# Altium PCB RK_NVR_DEMO1_RK3588_LP4XD200P232SD8_V21_20211228_final_lint.PcbDoc (part 17 of 29)
Units mm, origin at the board's own origin, x right, y up, seen from the top; angles counter-clockwise.
Board outline 170.08 x 169.98 mm, 8 copper layers (TOP, L2-GND1, L3-POWER1, L4-S1, L5-GND2, L6-S2, L7-GND3, BOTTOM), stack 2.118 mm thick; 1650 components, 1119 nets, 6165 pads, 15417 vias.
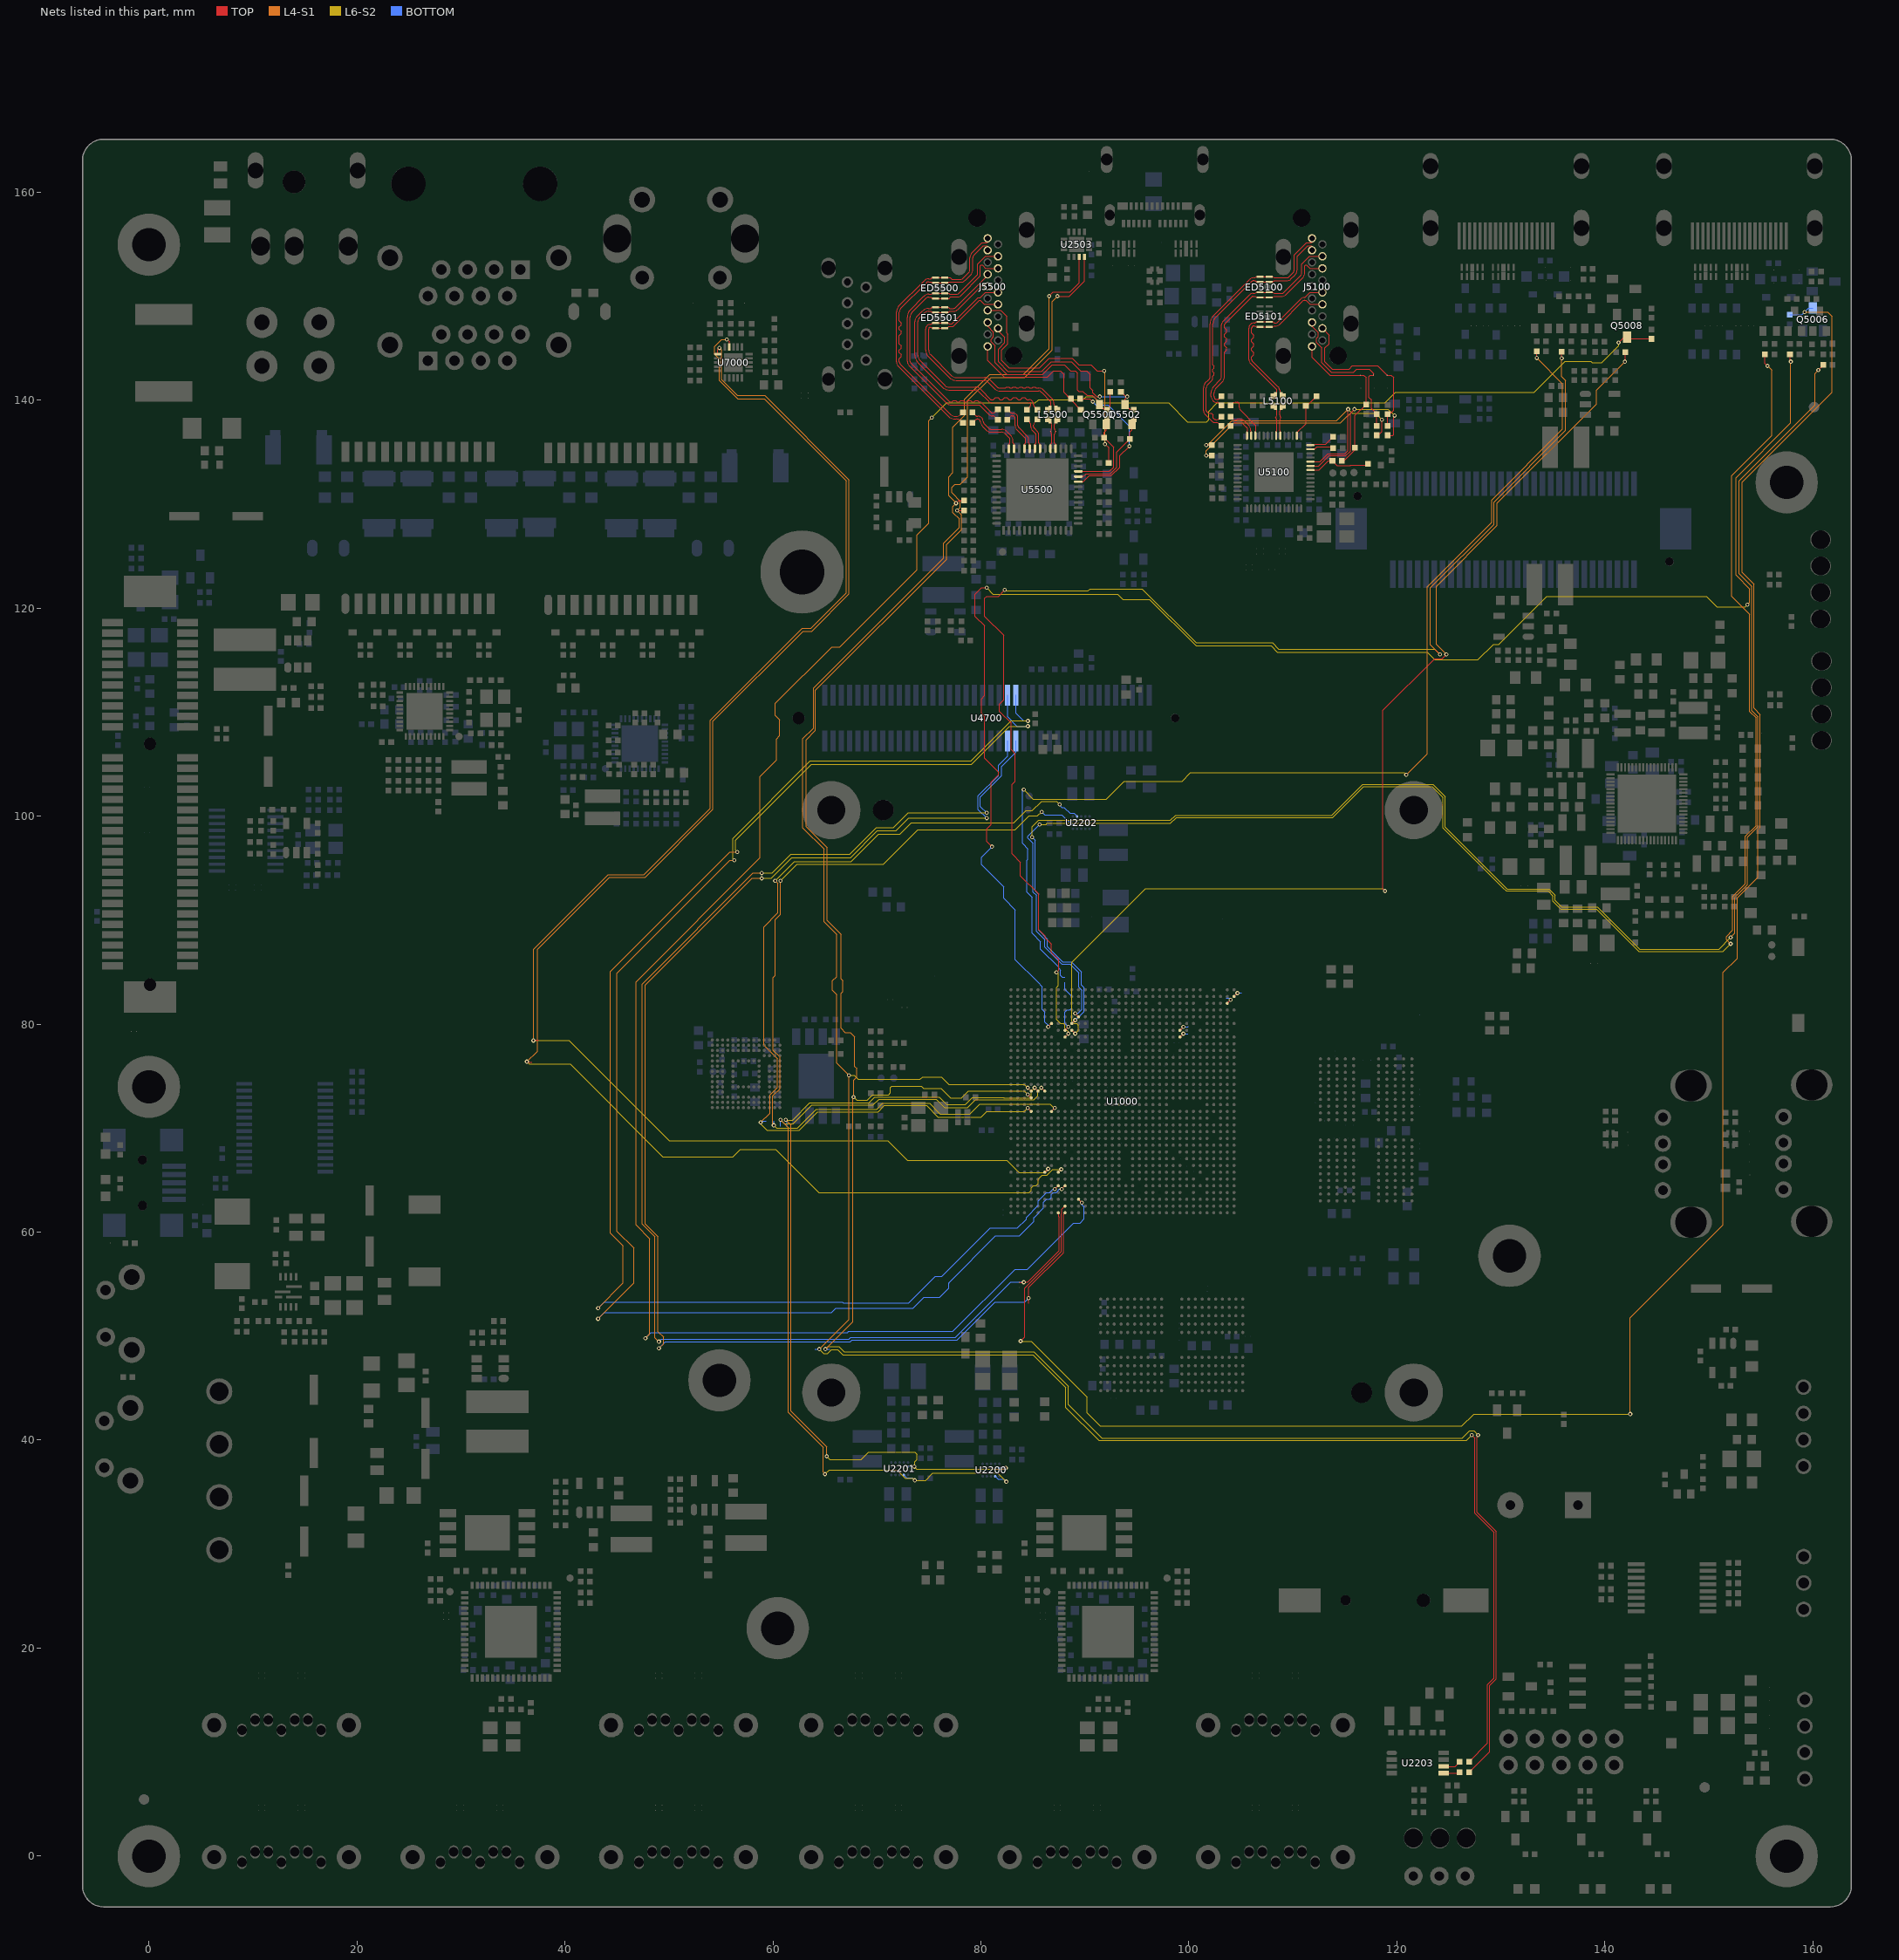
[diagram p23: the nets of this part, all layers, seen from the top]

## Via types
v1: diameter 0.4, hole 0.2, TOP to BOTTOM, 1688 vias
v2: diameter 0.4/0.4 (per signal layer), hole 0.2, TOP to L2-GND1, 1605 vias
v3: diameter 0/0/0/0/0/0/0/0.4 (per signal layer), hole 0.2, TOP to BOTTOM, 1253 vias
v4: diameter 0.4/0/0/0/0/0/0/0 (per signal layer), hole 0.2, TOP to BOTTOM, 1253 vias
v5: diameter 0.5, hole 0.3, TOP to BOTTOM, 857 vias
v6: diameter 0.4/0.4/0.4/0.4/0.4 (per signal layer), hole 0.2, L4-S1 to BOTTOM, 836 vias
v7: diameter 0/0/0/0/0/0/0/0.5 (per signal layer), hole 0.3, TOP to BOTTOM, 772 vias
v8: diameter 0.5/0/0/0/0/0/0/0 (per signal layer), hole 0.3, TOP to BOTTOM, 772 vias
v9: diameter 0.5/0.5 (per signal layer), hole 0.3, TOP to L2-GND1, 766 vias
v10: diameter 0.4/0.4 (per signal layer), hole 0.2, L7-GND3 to BOTTOM, 611 vias
v11: diameter 0.4/0.4/0.4/0.4 (per signal layer), hole 0.2, L5-GND2 to BOTTOM, 579 vias
v12: diameter 0.4 (per signal layer), hole 0.2, L6-S2 to L6-S2, 535 vias
v13: diameter 0.5/0.5/0.5/0.5/0.5 (per signal layer), hole 0.3, L4-S1 to BOTTOM, 457 vias
v14: diameter 0.5/0.5/0.5/0.5 (per signal layer), hole 0.3, L5-GND2 to BOTTOM, 455 vias
v15: diameter 0.4 (per signal layer), hole 0.2, L5-GND2 to L5-GND2, 418 vias
v16: diameter 0.5/0.5/0.5 (per signal layer), hole 0.3, TOP to L3-POWER1, 306 vias
v17: diameter 0.4 (per signal layer), hole 0.2, L4-S1 to L4-S1, 300 vias
v18: diameter 0.4/0.4/0.4 (per signal layer), hole 0.2, TOP to L3-POWER1, 287 vias
v19: diameter 0.5 (per signal layer), hole 0.3, L3-POWER1 to L3-POWER1, 242 vias
v20: diameter 0.5 (per signal layer), hole 0.3, L4-S1 to L4-S1, 240 vias
v21: diameter 0.5/0.5 (per signal layer), hole 0.3, L7-GND3 to BOTTOM, 192 vias
v22: diameter 0.5 (per signal layer), hole 0.3, L6-S2 to L6-S2, 166 vias
v23: diameter 0.4/0.4/0.4/0.4/0.4 (per signal layer), hole 0.2, TOP to L5-GND2, 134 vias
v24: diameter 0.5 (per signal layer), hole 0.3, L5-GND2 to L5-GND2, 114 vias
v25: diameter 0.5/0.5 (per signal layer), hole 0.3, L3-POWER1 to L4-S1, 111 vias
v26: diameter 0.4 (per signal layer), hole 0.2, L3-POWER1 to L3-POWER1, 93 vias
v27: diameter 0.4/0.4 (per signal layer), hole 0.2, L4-S1 to L5-GND2, 59 vias
v28: diameter 0.4/0.4/0/0/0.4/0/0.4/0.4 (per signal layer), hole 0.2, TOP to BOTTOM, 56 vias
v29: diameter 0.4/0/0/0.4/0/0/0/0.4 (per signal layer), hole 0.2, TOP to BOTTOM, 51 vias
v30: diameter 0.5/0.5 (per signal layer), hole 0.3, L4-S1 to L5-GND2, 46 vias
v31: diameter 0.4/0/0/0/0/0.4/0/0.4 (per signal layer), hole 0.2, TOP to BOTTOM, 42 vias
v32: diameter 0.5/0.5/0.5/0.5/0.5 (per signal layer), hole 0.3, TOP to L5-GND2, 32 vias
v33: diameter 0.4/0.4 (per signal layer), hole 0.2, L3-POWER1 to L4-S1, 29 vias
v34: diameter 0.4/0/0.4/0/0/0/0/0.4 (per signal layer), hole 0.2, TOP to BOTTOM, 29 vias
v35: diameter 0.4/0.4/0/0/0.4/0.4/0.4/0.4 (per signal layer), hole 0.2, TOP to BOTTOM, 21 vias
v36: diameter 0.5/0.5/0.5/0/0.5/0.5/0.5/0.5 (per signal layer), hole 0.3, TOP to BOTTOM, 4 vias
v37: diameter 0.5/0.5/0/0.5/0.5/0.5/0.5/0.5 (per signal layer), hole 0.3, TOP to BOTTOM, 3 vias
v38: diameter 0.4/0/0.4/0.4/0/0/0/0.4 (per signal layer), hole 0.2, TOP to BOTTOM, 2 vias
v39: diameter 0.4/0.4/0.4/0/0.4/0/0.4/0.4 (per signal layer), hole 0.2, TOP to BOTTOM, 1 vias

## Nets (pads, with @x,y where several pads share a name; then routed paths per layer and width w, separated by ;. In a path a pad name is that pad's centre, name@x,y a point inside that pad or via, vN(x,y) a via of type N, cw(c..) or ccw(c..) an arc to the next point about the centre after c; other vN are vias at no path point) (continued)
HDMI2_TX1N_PORT: ED5100.5 ED5100.6 J5100.6 R5106.2 | length 21.3
  TOP w0.076: R5106.2@103.111,140.378 102.875,140.142 cw(c102.709,140.307) 102.709,140.073 102.679,140.073 cw(c102.679,140.318) 102.506,140.145 cw(c102.751,140.39) 102.404,140.39 102.404,140.67 cw(c103.098,140.67) 102.607,141.161 103.205,141.758 ccw(c102.684,142.278) 103.42,142.278 103.42,144.601 103.623,144.804 103.623,145.032 103.42,145.236 103.42,145.464 103.623,145.667 103.623,145.896 103.42,146.099 103.42,146.328 103.623,146.531 103.623,146.76 103.42,146.963 103.42,147.257 cw(c103.546,147.257) 103.457,147.346 103.496,147.385 105.883,149.772 106.05,149.939 cw(c106.164,149.826) 106.163,149.986 106.377,149.986 106.487,149.876 ED5100.5@106.844,149.876 ED5100.6@107.718,149.876 108.074,149.876 108.185,149.986 108.907,149.986 ccw(c108.907,150.661) 109.384,150.184 110.934,151.734 ccw(c110.433,152.235) 111.142,152.235 111.142,152.909 111.218,152.985 111.326,152.985 111.636,152.675 J5100.6@112.837,152.675
HDMI2_TX1P: R5105.1 U5100.12 | length 4.7
  TOP w0.076: R5105.1@104.011,139.489 104.159,139.637 cw(c104.538,139.258) 104.538,139.794 104.623,139.794 cw(c104.623,139.616) 104.749,139.742 104.786,139.705 cw(c104.648,139.567) 104.843,139.567 104.843,139.332 ccw(c105.287,139.332) 104.973,139.018 106.376,137.614 cw(c106.202,137.44) 106.449,137.44 106.449,137.073 106.388,137.012 U5100.12@106.388,136.581
HDMI2_TX1P_PORT: ED5100.4 ED5100.7 J5100.4 R5105.2 | length 21.8
  TOP w0.076: R5105.2@103.111,139.489 102.875,139.725 ccw(c102.709,139.559) 102.709,139.794 102.679,139.794 cw(c102.679,140.318) 102.308,139.947 cw(c102.751,140.39) 102.125,140.39 102.125,140.671 cw(c103.098,140.67) 102.41,141.358 103.007,141.956 ccw(c102.685,142.278) 103.141,142.278 103.141,147.257 cw(c103.546,147.257) 103.259,147.543 103.297,147.582 105.686,149.97 105.853,150.137 cw(c106.163,149.826) 106.163,150.265 106.377,150.265 106.487,150.376 ED5100.4@106.844,150.376 ED5100.7@107.718,150.376 108.074,150.376 108.185,150.265 108.907,150.265 ccw(c108.907,150.661) 109.186,150.381 110.737,151.932 ccw(c110.433,152.235) 110.862,152.235 110.862,153.076 111.616,153.83 J5100.4@112.837,153.83
HDMI2_TX2N: R5104.1 U5100.13 | length 3.2
  TOP w0.076: R5104.1@104.011,138.422 104.159,138.274 ccw(c104.538,138.653) 104.538,138.117 104.602,138.117 104.699,138.214 104.927,138.214 105.024,138.117 105.046,138.117 cw(c105.046,137.681) 105.354,137.99 105.748,137.596 105.774,137.57 cw(c105.403,137.199) 105.928,137.198 105.928,137.073 105.988,137.013 U5100.13@105.988,136.581
HDMI2_TX2N_PORT: ED5100.2 ED5100.9 J5100.3 R5104.2 | length 25
  TOP w0.076: R5104.2@103.111,138.422 102.952,138.263 cw(c102.607,138.608) 102.607,138.121 cw(c102.607,138.385) 102.42,138.198 102.339,138.28 102.339,138.585 102.177,138.746 101.872,138.746 101.705,138.913 cw(c101.796,139.004) 101.668,139.004 101.668,141.159 cw(c102.101,141.159) 101.795,141.466 102.09,141.761 102.159,141.83 ccw(c101.812,142.177) 102.303,142.177 102.303,142.309 102.404,142.411 102.404,142.64 102.303,142.741 102.303,142.97 102.404,143.071 102.404,143.3 102.303,143.402 102.303,147.358 cw(c103.038,147.358) 102.518,147.879 102.557,147.917 106.026,151.387 cw(c106.265,151.149) 106.265,151.486 106.377,151.486 106.487,151.376 ED5100.2@106.844,151.376 ED5100.9@107.718,151.376 108.074,151.376 108.185,151.486 109.42,151.486 ccw(c109.42,152.026) 109.802,151.644 110.209,152.05 ccw(c109.735,152.525) 110.405,152.525 110.405,153.835 111.416,154.846 111.761,154.846 111.837,154.77 J5100.3@111.837,154.408
HDMI2_TX2P: R5103.1 U5100.14 | length 2.7
  TOP w0.076: R5103.1@104.011,137.533 104.159,137.681 cw(c104.538,137.302) 104.538,137.838 105.046,137.838 cw(c105.046,137.681) 105.157,137.792 105.577,137.372 cw(c105.403,137.198) 105.649,137.199 105.649,137.073 105.588,137.012 U5100.14@105.588,136.581
HDMI2_TX2P_PORT: ED5100.1 ED5100.10 J5100.1 R5103.2 | length 25.6
  TOP w0.076: R5103.2@103.111,137.533 102.941,137.703 ccw(c102.607,137.37) 102.607,137.841 102.487,137.841 cw(c102.487,138.094) 102.308,137.915 101.508,138.716 cw(c101.796,139.004) 101.388,139.004 101.388,141.159 cw(c102.101,141.159) 101.597,141.663 101.892,141.958 101.961,142.028 ccw(c101.812,142.177) 102.023,142.177 102.023,147.359 cw(c103.038,147.358) 102.32,148.076 102.358,148.114 105.829,151.585 cw(c106.265,151.148) 106.265,151.765 106.377,151.765 106.487,151.876 ED5100.1@106.844,151.876 ED5100.10@107.718,151.876 108.074,151.876 108.185,151.765 109.42,151.765 ccw(c109.42,152.026) 109.605,151.842 110.011,152.248 ccw(c109.735,152.525) 110.126,152.525 110.126,153.951 111.3,155.125 111.761,155.125 111.837,155.202 J5100.1@111.837,155.563
HDMI2_TX_CEC: R5116.1 R5136.1 U5100.2 | length 4.6
  TOP w0.102: U5100.2@110.388,136.581 110.388,136.896 111.243,137.752 R5116.1@111.243,139.466 111.359,139.466 R5136.1@112.259,140.366
HDMI2_TX_HPD: R5112.1 R5138.1 U5100.50 | length 6.2
  TOP w0.102: U5100.50@111.688,133.28 112.507,133.28 113.387,134.16 R5112.1@113.802,134.16 114.255,133.707 115.521,133.707 115.559,133.744 117.092,133.744 R5138.1@117.238,133.889
HDMI2_TX_HPD_PORT: ED5102.1 J5100.19 R5112.2 R5114.1 R5137.2 | length 16.2
  TOP w0.102: J5100.19@111.837,145.168 111.837,144.123 113.555,142.405 ED5102.1@116.507,142.405 116.806,142.405 117.035,142.177 R5137.2@117.035,139.579 115.975,138.519 R5114.1@115.975,135.42 115.975,135.225 114.91,134.16 R5112.2@114.702,134.16
HDMI2_TX_I2S0: R5118.1 U5100.55 | length 2.3
  TOP w0.102: U5100.55@111.688,135.28 112.069,135.28 112.31,135.522 113.746,135.522 R5118.1@113.877,135.39
HDMI2_TX_SCL: R5102.2 R5124.1 U5100.52 | length 29.1
  TOP w0.102: v4(101.671,135.674) R5102.2@102.196,135.674 ; U5100.52@111.688,134.081 112.596,134.081 113.377,134.862 115.015,134.862 115.307,135.154 v4(115.307,139.129) ; R5124.1@118.076,136.621 118.185,136.621 118.559,136.995 v4(118.559,138.113)
  L4-S1 w0.102: v4(101.671,135.674) 101.795,135.674 104.131,138.011 114.19,138.011 v4(115.307,139.129)
  L6-S2 w0.102: v4(115.307,139.129) 115.714,138.722 117.949,138.722 v4(118.559,138.113)
  other v3: 101.671,135.674 118.559,138.113 115.307,139.129
  other v12: 118.559,138.113 115.307,139.129
  other v17: 101.671,135.674 115.307,139.129
HDMI2_TX_SCL_PORT: ED5104.1 J5100.15 R5123.2 R5124.2 | length 15.8
  TOP w0.102: J5100.15@111.837,147.478 111.837,147.105 112.437,146.505 112.437,146.139 112.259,145.961 112.259,145.53 112.767,145.022 112.767,143.599 113.682,142.685 115.815,142.685 116.12,142.99 117.339,142.99 117.777,142.552 ED5104.1@117.777,142.405 117.441,142.405 117.314,142.278 117.314,140.272 117.543,140.043 117.543,139.187 R5123.2@118.076,138.653 R5124.2@118.076,137.521
HDMI2_TX_SDA: R5107.2 R5127.1 U5100.51 | length 32.1
  TOP w0.102: v4(101.671,134.673) R5107.2@102.196,134.673 ; U5100.51@111.688,133.68 112.501,133.68 113.479,134.658 115.099,134.658 115.547,135.107 115.547,138.759 v4(115.917,139.129) ; R5127.1@119.092,136.621 119.607,136.621 119.679,136.693 119.679,138.421 v4(119.778,138.519)
  L4-S1 w0.102: v4(101.671,134.673) 101.671,135.144 104.335,137.808 114.596,137.808 v4(115.917,139.129)
  L6-S2 w0.102: v4(115.917,139.129) 119.168,139.129 v4(119.778,138.519)
  other v3: 101.671,134.673 119.778,138.519 115.917,139.129
  other v12: 119.778,138.519 115.917,139.129
  other v17: 101.671,134.673 115.917,139.129
HDMI2_TX_SDA_PORT: ED5103.1 J5100.16 R5125.2 R5127.2 | length 16.1
  TOP w0.102: J5100.16@112.837,146.9 113.479,146.259 113.479,145.428 113.072,145.022 113.072,143.701 113.783,142.99 115.409,142.99 115.714,143.294 118.158,143.294 ED5103.1@119.047,142.405 119.448,142.405 119.676,142.177 119.676,139.027 119.302,138.653 R5125.2@119.092,138.653 R5127.2@119.092,137.521
HDMI2_TX_WS: R5119.1 U5100.56 | length 2.5
  TOP w0.102: U5100.56@111.688,135.68 112.062,135.68 112.158,135.776 113.171,135.776 R5119.1@113.877,136.483
HDMI2_TXCN: C5103.2 L5100.4 R5111.1 U5100.6 | length 2.8
  TOP w0.076: U5100.6@108.788,136.581 108.788,137.013 108.728,137.073 108.728,138.049 cw(c109.105,138.049) C5103.2@108.838,138.316 cw(c109.105,138.583) 108.728,138.583 108.728,138.964 cw(c109.19,138.964) L5100.4@108.863,139.291
HDMI2_TXCN_PORT: ED5101.5 ED5101.6 J5100.12 L5100.3 R5111.2 | length 16.4
  TOP w0.076: R5111.2@109.046,140.366 108.922,140.49 cw(c109.39,140.958) 108.728,140.958 ccw(c108.324,140.957) 108.61,141.243 108.495,141.358 106.103,143.75 cw(c106.265,143.911) 106.036,143.911 106.036,144.15 106.23,144.344 106.23,144.572 106.036,144.766 106.036,144.995 106.23,145.188 106.23,145.417 106.036,145.61 106.036,145.839 106.23,146.032 106.23,146.261 106.036,146.455 106.036,146.909 cw(c106.269,146.909) 106.269,147.141 106.377,147.141 106.487,147.031 ED5101.5@106.844,147.031 ED5101.6@107.718,147.031 108.074,147.031 108.185,147.141 108.297,147.141 ccw(c108.297,147.816) 108.774,147.339 110.949,149.514 cw(c111.142,149.321) 111.142,149.594 111.243,149.594 111.627,149.21 J5100.12@112.837,149.21
HDMI2_TXCP: C5103.1 L5100.2 R5110.1 U5100.7 | length 2.8
  TOP w0.076: L5100.2@108.313,139.291 cw(c107.986,138.964) 108.449,138.964 108.449,138.583 cw(c108.071,138.583) C5103.1@108.338,138.316 cw(c108.071,138.049) 108.449,138.049 108.449,137.073 108.388,137.012 U5100.7@108.388,136.581
HDMI2_TXCP_PORT: ED5101.4 ED5101.7 J5100.10 L5100.1 R5110.2 | length 16.4
  TOP w0.076: R5110.2@108.131,140.366 108.363,140.598 ccw(c108.157,140.805) 108.449,140.805 108.449,140.958 ccw(c108.324,140.957) 108.412,141.045 108.297,141.161 105.906,143.552 cw(c106.265,143.911) 105.757,143.911 105.757,146.909 cw(c106.269,146.909) 106.269,147.421 106.377,147.421 106.487,147.531 ED5101.4@106.844,147.531 ED5101.7@107.718,147.531 108.074,147.531 108.185,147.421 108.297,147.421 ccw(c108.297,147.816) 108.577,147.536 110.752,149.711 cw(c111.142,149.321) 111.137,149.873 111.629,150.365 J5100.10@112.837,150.365
HDMI3_TX0N: R5518.1 U5500.35 | length 3.2
  TOP w0.076: R5518.1@85.437,138.171 85.208,137.942 ccw(c85.546,137.605) 85.069,137.605 85.069,137.453 ccw(c85.286,137.453) 85.132,137.3 85.437,136.995 cw(c85.1,136.658) 85.577,136.658 85.577,135.883 85.687,135.773 U5500.35@85.687,135.332
HDMI3_TX0N_PORT: ED5501.2 ED5501.9 J5500.9 R5518.2 | length 26.3
  TOP w0.076: J5500.9@80.646,150.943 80.374,151.215 80.266,151.215 77.789,148.738 cw(c77.309,149.219) 77.309,148.539 76.993,148.539 76.883,148.429 ED5501.9@76.527,148.429 ED5501.2@75.652,148.429 75.296,148.429 75.186,148.539 74.964,148.539 ccw(c74.964,147.976) 74.566,148.374 74.058,147.866 ccw(c74.364,147.56) 73.931,147.56 73.931,144.31 ccw(c74.632,144.31) 74.136,143.814 76.537,141.414 ccw(c76.903,141.78) 76.903,141.262 79.494,141.262 cw(c79.494,140.651) 79.926,141.083 80.052,140.958 80.916,140.094 ccw(c81.038,140.216) 81.038,140.043 81.206,140.043 81.409,140.246 81.638,140.246 81.841,140.043 82.07,140.043 82.273,140.246 82.501,140.246 82.705,140.043 82.933,140.043 83.136,140.246 83.365,140.246 83.568,140.043 83.797,140.043 84,140.246 84.229,140.246 84.432,140.043 84.624,140.043 cw(c84.624,139.599) 85.068,139.599 ccw(c85.454,139.599) 85.181,139.327 R5518.2@85.437,139.071
HDMI3_TX0P: R5517.1 U5500.36 | length 3.2
  TOP w0.076: R5517.1@84.421,138.171 84.65,137.942 cw(c84.312,137.605) 84.789,137.605 84.789,137.453 ccw(c85.286,137.453) 84.935,137.102 85.239,136.798 cw(c85.1,136.658) 85.297,136.658 85.297,135.883 85.187,135.773 U5500.36@85.187,135.332
HDMI3_TX0P_PORT: ED5501.1 ED5501.10 J5500.7 R5517.2 | length 26.3
  TOP w0.076: J5500.7@80.646,152.098 80.646,151.99 77.592,148.936 cw(c77.309,149.219) 77.309,148.819 76.993,148.819 76.883,148.929 ED5501.10@76.527,148.929 ED5501.1@75.652,148.929 75.296,148.929 75.186,148.819 74.964,148.819 ccw(c74.964,147.976) 74.368,148.572 73.86,148.064 ccw(c74.364,147.56) 73.651,147.56 73.651,144.31 ccw(c74.632,144.31) 73.939,143.617 76.339,141.216 ccw(c76.903,141.78) 76.903,140.983 79.494,140.983 cw(c79.494,140.651) 79.729,140.886 79.855,140.76 80.718,139.896 ccw(c81.038,140.216) 81.038,139.764 84.624,139.764 cw(c84.624,139.599) 84.789,139.599 cw(c84.403,139.599) 84.676,139.326 R5517.2@84.421,139.071
HDMI3_TX1N: R5512.1 U5500.37 | length 4.8
  TOP w0.076: R5512.1@82.534,139.129 82.834,138.828 ccw(c82.998,138.992) 82.999,138.76 83.068,138.76 cw(c83.068,138.283) 83.405,138.621 83.453,138.573 cw(c83.201,138.321) 83.557,138.321 83.557,137.556 ccw(c83.808,137.556) 83.631,137.379 84.472,136.537 cw(c84.221,136.286) 84.577,136.286 84.577,135.883 84.687,135.773 U5500.37@84.687,135.332
HDMI3_TX1N_PORT: ED5500.5 ED5500.6 J5500.6 R5512.2 | length 26.8
  TOP w0.076: 77.497,149.924 77.106,149.924 76.956,149.774 ED5500.6@76.527,149.774 ED5500.5@75.652,149.774 75.339,149.774 75.215,149.898 74.972,149.898 ccw(c74.972,149.527) 74.71,149.789 74.692,149.772 73.411,148.491 ccw(c73.934,147.968) 73.194,147.968 73.194,143.75 ccw(c73.462,143.75) 73.273,143.56 76.957,139.876 ccw(c77.106,140.025) 77.106,139.815 77.215,139.815 77.342,139.942 77.571,139.942 77.698,139.815 77.927,139.815 78.054,139.942 78.282,139.942 78.409,139.815 78.638,139.815 78.765,139.942 78.993,139.942 79.12,139.815 79.349,139.815 79.476,139.942 79.705,139.942 79.832,139.815 79.976,139.815 80.967,138.824 ccw(c81.12,138.977) 81.12,138.76 ccw(c81.12,139.112) 81.369,138.864 R5512.2@81.634,139.129 ; 77.498,149.923 77.671,149.923 ccw(c77.672,150.552) 78.116,150.107 79.951,151.942 79.951,152.909 80.027,152.985 80.135,152.985 80.445,152.675 J5500.6@81.646,152.675
HDMI3_TX1P: R5515.1 U5500.38 | length 4.4
  TOP w0.076: R5515.1@82.534,138.113 82.834,138.413 cw(c82.998,138.249) 82.999,138.481 83.068,138.481 cw(c83.068,138.283) 83.207,138.423 83.255,138.375 cw(c83.201,138.321) 83.278,138.321 83.278,137.556 ccw(c83.808,137.556) 83.433,137.182 84.275,136.34 cw(c84.221,136.285) 84.297,136.285 84.297,135.883 84.187,135.773 U5500.38@84.187,135.332
HDMI3_TX1P_PORT: ED5500.4 ED5500.7 J5500.4 R5515.2 | length 27.3
  TOP w0.076: 77.613,150.203 77.004,150.203 76.933,150.274 ED5500.7@76.527,150.274 ED5500.4@75.652,150.274 75.348,150.274 75.252,150.178 74.972,150.178 ccw(c74.972,149.527) 74.513,149.988 74.496,149.971 73.213,148.689 ccw(c73.934,147.968) 72.915,147.968 72.915,143.75 ccw(c73.462,143.75) 73.075,143.363 76.759,139.679 ccw(c77.106,140.026) 77.106,139.535 79.86,139.535 80.769,138.626 ccw(c81.12,138.977) 81.12,138.481 cw(c81.12,138.129) 81.369,138.378 R5515.2@81.634,138.113 ; 77.614,150.202 77.671,150.202 ccw(c77.671,150.552) 77.919,150.305 79.671,152.057 79.671,153.076 80.425,153.83 J5500.4@81.646,153.83
HDMI3_TX2N: R5516.1 U5500.40 | length 6.1
  TOP w0.076: R5516.1@79.181,138.824 79.482,138.523 ccw(c79.646,138.688) 79.646,138.456 79.696,138.456 ; 79.696,138.456 79.698,138.456 cw(c79.698,137.965) 80.045,138.312 80.086,138.27 cw(c79.74,137.924) 80.23,137.924 ccw(c80.476,137.924) 80.302,137.75 80.774,137.278 ccw(c80.967,137.471) 80.967,137.198 82,137.198 cw(c82,136.504) 82.491,136.995 82.916,136.569 cw(c82.529,136.182) 83.077,136.182 83.077,135.884 83.187,135.773 U5500.40@83.187,135.332
HDMI3_TX2N_PORT: ED5500.2 ED5500.9 J5500.3 R5516.2 | length 26.4
  TOP w0.076: R5516.2@78.281,138.824 78.125,138.667 cw(c77.614,139.178) 77.614,138.456 77.504,138.456 cw(c77.504,139.019) 77.106,138.621 72.229,143.498 cw(c72.413,143.681) 72.153,143.681 72.153,144.001 72.331,144.179 72.331,144.408 72.153,144.586 72.153,144.814 72.331,144.992 72.331,145.221 72.153,145.398 72.153,146.224 72.331,146.402 72.331,146.63 72.153,146.808 72.153,147.037 72.331,147.215 72.331,147.443 72.153,147.621 72.153,148.476 cw(c72.67,148.476) 72.304,148.842 74.674,151.212 74.758,151.296 cw(c74.972,151.081) 74.972,151.384 75.186,151.384 75.296,151.274 ED5500.2@75.652,151.274 ED5500.9@76.527,151.274 76.867,151.274 76.939,151.346 78.035,151.346 ccw(c78.036,152.017) 78.51,151.542 79.018,152.05 ccw(c78.543,152.525) 79.214,152.525 79.214,153.658 cw(c79.643,153.658) 79.34,153.961 80.225,154.846 80.57,154.846 80.646,154.77 J5500.3@80.646,154.408
HDMI3_TX2P: R5514.1 U5500.41 | length 5.6
  TOP w0.076: R5514.1@79.181,137.808 79.464,138.091 79.482,138.108 cw(c79.646,137.944) 79.646,138.176 79.698,138.176 cw(c79.698,137.965) 79.847,138.115 79.889,138.073 cw(c79.74,137.924) 79.951,137.924 ccw(c80.476,137.924) 80.104,137.552 80.154,137.503 80.576,137.08 ccw(c80.967,137.471) 80.967,136.919 82,136.919 cw(c82,136.504) 82.293,136.798 82.719,136.372 cw(c82.529,136.182) 82.797,136.182 82.797,135.884 82.687,135.773 U5500.41@82.687,135.332
HDMI3_TX2P_PORT: ED5500.1 ED5500.10 J5500.1 R5514.2 | length 26.7
  TOP w0.076: R5514.2@78.281,137.808 78.125,137.965 ccw(c77.614,137.454) 77.614,138.176 77.504,138.176 cw(c77.504,139.019) 76.908,138.423 72.031,143.3 cw(c72.413,143.681) 71.873,143.681 71.873,148.476 cw(c72.671,148.476) 72.107,149.04 74.477,151.409 74.56,151.493 cw(c74.972,151.081) 74.972,151.664 75.186,151.664 75.296,151.774 ED5500.1@75.652,151.774 ED5500.10@76.527,151.774 77.059,151.774 77.207,151.626 78.035,151.626 ccw(c78.035,152.017) 78.312,151.74 78.82,152.248 ccw(c78.543,152.525) 78.935,152.525 78.935,153.658 cw(c79.643,153.658) 79.142,154.159 80.109,155.125 80.57,155.125 80.646,155.202 J5500.1@80.646,155.563